# KiCad board panel_32x32_1515_r0.1.kicad_pcb (continued)
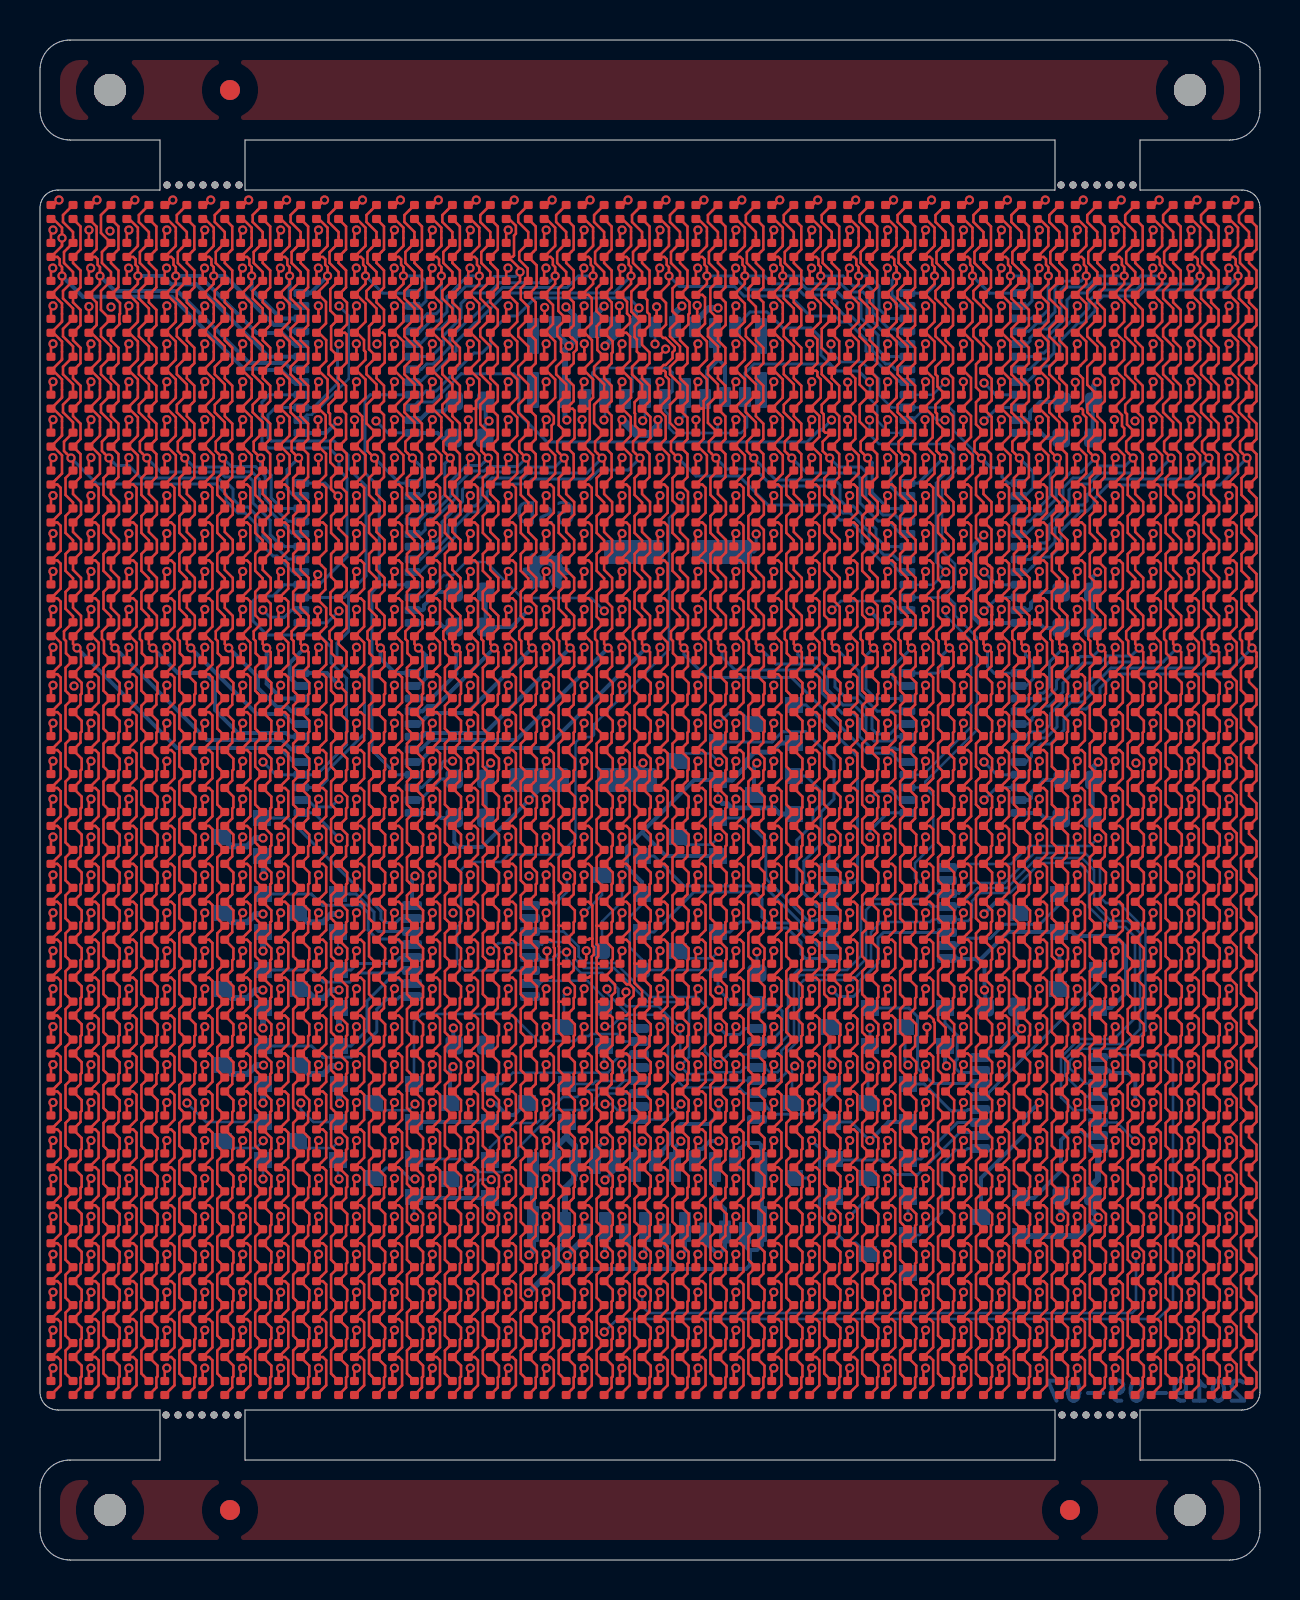
[diagram p0: board, top side]
## Routing (per net, layer and track width the routed paths; a pad name or vN(x,y) marks a point on that pad's centre or on a via; arc(x,y) is an arc through that point) (continued)
  Bottom w0.15: U9.20 18.68,58.95 19.05,58.95 19.55,59.45 19.8,59.45 20.8,60.45 20.8,60.9 21.75,61.85 21.8,61.85 23.3,63.35 28.7,63.35 v1(29.55,64.2)
COL_BA16: length 91
  Top w0.127: D17.4 31.01,67.05 31.45,66.62 31.45,65.71 D49.4 31.22,65.15 31.33,65.04 31.33,64.76 31.45,64.64 v1(31.45,64.2) 31.45,63.81 D81.4 31.3,62.85 31.3,61.76 D113.4 31.16,61.1 31.27,61.1 31.73,60.64 31.73,60.49 31.63,60.38 31.63,60.09 31.28,59.75 31.18,59.75 D145.4 31.22,59.46 31.28,59.4 31.28,59.19 31.45,59.03 31.45,58.12 D177.4 31.28,57.18 31.28,56.06 D209.4 ; 31.01,55.67 31.45,55.24 31.45,54.33 D241.4 31.22,53.77 31.38,53.61 31.38,52.36 D273.4 31.22,51.88 31.38,51.71 31.38,50.46 D305.4 31.22,49.98 31.38,49.82 31.38,48.57 D337.4 31.22,48.08 31.38,47.92 31.38,46.67 D369.4 31.06,46.19 31.38,45.87 31.38,44.77 D401.4 31.22,44.29 31.38,44.13 31.38,42.88 D433.4 31.22,42.39 31.38,42.23 31.38,40.98 D465.4 31.22,40.5 31.38,40.33 31.38,39.08 D497.4 31.22,38.6 31.38,38.44 31.38,37.19 D529.4 31.22,36.7 31.38,36.54 31.38,35.29 D561.4 31.22,34.81 31.38,34.64 31.38,33.39 D593.4 31.22,32.91 31.38,32.75 31.38,31.5 D625.4 31.22,31.01 31.38,30.85 31.38,29.6 D657.4 31.22,29.12 31.38,28.95 31.38,27.7 D689.4 31.22,27.22 31.38,27.06 31.38,25.81 D721.4 31.22,25.32 31.38,25.16 31.38,23.91 D753.4 31.22,23.43 31.38,23.26 31.38,22.01 D785.4 31.22,21.53 31.38,21.37 31.38,20.12 D817.4 31.22,19.63 31.38,19.47 31.38,18.22 D849.4 31.22,17.74 31.38,17.57 31.38,16.32 D881.4 31.22,15.84 31.38,15.68 31.38,14.43 D913.4 31.22,13.94 31.38,13.78 31.38,12.53 D945.4 31.22,12.04 31.38,11.88 31.38,10.63 D977.4 31.22,10.15 31.38,9.99 31.38,8.73 D1009.4
  Bottom w0.15: U10.5 43.32,58.95 42.92,58.95 42.31,59.56 42.18,59.56 41.3,60.45 41.3,61 40.4,61.9 40.05,61.9 39.75,62.2 38.51,62.2 37.51,63.2 35.2,63.2 34.72,63.68 31.98,63.68 v1(31.45,64.2)
COL_BA17: length 88.8
  Top w0.127: D18.4 32.91,67.05 33.35,66.62 33.35,65.71 D50.4 33.12,65.15 33.23,65.04 33.23,64.76 33.35,64.64 v1(33.35,64.2) 33.35,63.81 D82.4 33.12,63.26 33.25,63.12 33.25,61.82 D114.4 ; 32.91,55.67 33.35,55.24 33.35,54.33 D242.4 33.12,53.77 33.28,53.61 33.28,52.36 D274.4 33.12,51.88 33.28,51.71 33.28,50.46 D306.4 33.12,49.98 33.28,49.82 33.28,48.57 D338.4 33.12,48.08 33.28,47.92 33.28,46.67 D370.4 32.96,46.19 33.28,45.87 33.28,44.77 D402.4 33.12,44.29 33.28,44.13 33.28,42.88 D434.4 33.12,42.39 33.28,42.23 33.28,40.98 D466.4 33.12,40.5 33.28,40.33 33.28,39.08 D498.4 33.12,38.6 33.28,38.44 33.28,37.19 D530.4 33.12,36.7 33.28,36.54 33.28,35.29 D562.4 33.12,34.81 33.28,34.64 33.28,33.39 D594.4 33.12,32.91 33.28,32.75 33.28,31.5 D626.4 33.12,31.01 33.28,30.85 33.28,29.6 D658.4 33.12,29.12 33.28,28.95 33.28,27.7 D690.4 33.12,27.22 33.28,27.06 33.28,25.81 D722.4 33.12,25.32 33.28,25.16 33.28,23.91 D754.4 33.12,23.43 33.28,23.26 33.28,22.01 D786.4 33.12,21.53 33.28,21.37 33.28,20.12 D818.4 33.12,19.63 33.28,19.47 33.28,18.22 D850.4 33.12,17.74 33.28,17.57 33.28,16.32 D882.4 33.12,15.84 33.28,15.68 33.28,14.43 D914.4 33.12,13.94 33.28,13.78 33.28,12.53 D946.4 33.12,12.04 33.28,11.88 33.28,10.63 D978.4 33.12,10.15 33.28,9.99 33.28,8.73 D1010.4 ; 33.18,57.58 33.18,57.95 33.35,58.12 33.35,59.03 32.91,59.46 D146.4 33.35,60.02 33.35,60.93 32.91,61.36 ; 33.18,57.58 33.13,57.58 33.12,57.57 D178.4 ; 33.18,57.58 33.18,56.06 D210.4
  Bottom w0.15: v1(33.35,64.2) 34.66,64.2 35.35,63.51 37.94,63.51 38.2,63.25 39.5,63.25 39.85,62.9 39.85,62.6 40.25,62.2 40.55,62.2 41.62,61.13 41.62,60.47 42.28,59.8 42.5,59.8 42.77,59.53 U10.6
COL_BA18: length 87.3
  Top w0.127: D19.4 34.81,67.05 35.24,66.62 35.24,65.71 D51.4 35.01,65.15 35.13,65.04 35.13,64.76 35.24,64.64 v1(35.24,64.2) 35.24,63.81 D83.4 34.81,63.26 35.24,62.82 35.24,61.91 D115.4 34.81,61.36 35.24,60.93 35.24,60.02 D147.4 34.81,59.46 35.24,59.03 35.24,58.12 D179.4 34.81,57.57 35.24,57.13 35.24,56.22 D211.4 ; 34.81,55.67 35.24,55.24 35.24,54.33 D243.4 35.01,53.77 35.17,53.61 35.17,52.36 D275.4 35.01,51.88 35.17,51.71 35.17,50.46 D307.4 35.01,49.98 35.17,49.82 35.17,48.57 D339.4 35.01,48.08 35.17,47.92 35.17,46.67 D371.4 34.86,46.19 35.17,45.87 35.17,44.77 D403.4 35.01,44.29 35.17,44.13 35.17,42.88 D435.4 35.01,42.39 35.17,42.23 35.17,40.98 D467.4 35.01,40.5 35.17,40.33 35.17,39.08 D499.4 35.01,38.6 35.17,38.44 35.17,37.19 D531.4 35.01,36.7 35.17,36.54 35.17,35.29 D563.4 35.01,34.81 35.17,34.64 35.17,33.39 D595.4 35.01,32.91 35.17,32.75 35.17,31.5 D627.4 35.01,31.01 35.17,30.85 35.17,29.6 D659.4 35.01,29.12 35.17,28.95 35.17,27.7 D691.4 35.01,27.22 35.17,27.06 35.17,25.81 D723.4 35.01,25.32 35.17,25.16 35.17,23.91 D755.4 35.01,23.43 35.17,23.26 35.17,22.01 D787.4 35.01,21.53 35.17,21.37 35.17,20.12 D819.4 35.01,19.63 35.17,19.47 35.17,18.22 D851.4 35.01,17.74 35.17,17.57 35.17,16.32 D883.4 35.01,15.84 35.17,15.68 35.17,14.43 D915.4 35.01,13.94 35.17,13.78 35.17,12.53 D947.4 35.01,12.04 35.17,11.88 35.17,10.63 D979.4 35.01,10.15 35.17,9.99 35.17,8.73 D1011.4
  Bottom w0.15: v1(35.24,64.2) 36.22,64.2 36.61,63.81 38.07,63.81 38.34,63.54 39.74,63.54 40.17,63.1 40.95,63.1 41.05,63 41.05,62.1 41.91,61.24 41.91,60.51 42.26,60.17 U10.7
COL_BA19: length 84.7
  Top w0.127: D20.4 36.7,67.05 37.14,66.62 37.14,65.71 D52.4 36.91,65.15 37.02,65.04 37.02,64.76 37.14,64.64 v1(37.14,64.2) 37.14,63.81 D84.4 36.7,63.26 37.14,62.82 37.14,61.91 D116.4 36.7,61.36 37.14,60.93 37.14,60.02 D148.4 36.7,59.46 37.14,59.03 37.14,58.12 D180.4 36.7,57.57 37.14,57.13 37.14,56.22 D212.4 ; 36.7,55.67 37.14,55.24 37.14,54.33 D244.4 36.91,53.77 37.07,53.61 37.07,52.36 D276.4 36.91,51.88 37.07,51.71 37.07,50.46 D308.4 36.91,49.98 37.07,49.82 37.07,48.57 D340.4 36.91,48.08 37.07,47.92 37.07,46.67 D372.4 36.75,46.19 37.07,45.87 37.07,44.77 D404.4 36.91,44.29 37.07,44.13 37.07,42.88 D436.4 36.91,42.39 37.07,42.23 37.07,40.98 D468.4 36.91,40.5 37.07,40.33 37.07,39.08 D500.4 36.91,38.6 37.07,38.44 37.07,37.19 D532.4 36.91,36.7 37.07,36.54 37.07,35.29 D564.4 36.91,34.81 37.07,34.64 37.07,33.39 D596.4 36.91,32.91 37.07,32.75 37.07,31.5 D628.4 36.91,31.01 37.07,30.85 37.07,29.6 D660.4 36.91,29.12 37.07,28.95 37.07,27.7 D692.4 36.91,27.22 37.07,27.06 37.07,25.81 D724.4 36.91,25.32 37.07,25.16 37.07,23.91 D756.4 36.91,23.43 37.07,23.26 37.07,22.01 D788.4 36.91,21.53 37.07,21.37 37.07,20.12 D820.4 36.91,19.63 37.07,19.47 37.07,18.22 D852.4 36.91,17.74 37.07,17.57 37.07,16.32 D884.4 36.91,15.84 37.07,15.68 37.07,14.43 D916.4 36.91,13.94 37.07,13.78 37.07,12.53 D948.4 36.91,12.04 37.07,11.88 37.07,10.63 D980.4 36.91,10.15 37.07,9.99 37.07,8.73 D1012.4
  Bottom w0.15: U10.8 42.97,60.8 42.57,61.2 42.35,61.2 41.35,62.21 41.35,63.2 41.15,63.4 40.45,63.4 40.04,63.81 38.41,63.81 38.02,64.2 v1(37.14,64.2)
COL_BA20: length 82.2
  Top w0.127: D21.4 38.6,67.05 39.04,66.62 39.04,65.71 D53.4 38.81,65.15 38.92,65.04 38.92,64.76 39.04,64.64 v1(39.04,64.2) 39.04,63.88 38.6,63.44 38.6,63.26 39.04,62.82 39.04,61.91 D117.4 38.54,61.36 38.87,61.03 38.87,59.85 D149.4 38.81,59.46 38.87,59.4 38.87,59.19 39.04,59.03 39.04,58.12 38.6,57.68 38.6,57.57 38.97,57.2 38.97,56.15 D213.4 ; 38.6,55.67 39.04,55.24 39.04,54.33 D245.4 38.81,53.77 38.97,53.61 38.97,52.36 D277.4 38.81,51.88 38.97,51.71 38.97,50.46 D309.4 38.81,49.98 38.97,49.82 38.97,48.57 D341.4 38.81,48.08 38.97,47.92 38.97,46.67 D373.4 38.65,46.19 38.97,45.87 38.97,44.77 D405.4 38.81,44.29 38.97,44.13 38.97,42.88 D437.4 38.81,42.39 38.97,42.23 38.97,40.98 D469.4 38.81,40.5 38.97,40.33 38.97,39.08 D501.4 38.81,38.6 38.97,38.44 38.97,37.19 D533.4 38.81,36.7 38.97,36.54 38.97,35.29 D565.4 38.81,34.81 38.97,34.64 38.97,33.39 D597.4 38.81,32.91 38.97,32.75 38.97,31.5 D629.4 38.81,31.01 38.97,30.85 38.97,29.6 D661.4 38.81,29.12 38.97,28.95 38.97,27.7 D693.4 38.81,27.22 38.97,27.06 38.97,25.81 D725.4 38.81,25.32 38.97,25.16 38.97,23.91 D757.4 38.81,23.43 38.97,23.26 38.97,22.01 D789.4 38.81,21.53 38.97,21.37 38.97,20.12 D821.4 38.81,19.63 38.97,19.47 38.97,18.22 D853.4 38.81,17.74 38.97,17.57 38.97,16.32 D885.4 38.81,15.84 38.97,15.68 38.97,14.43 D917.4 38.81,13.94 38.97,13.78 38.97,12.53 D949.4 38.81,12.04 38.97,11.88 38.97,10.63 D981.4 38.81,10.15 38.97,9.99 38.97,8.73 D1013.4
  Bottom w0.15: U10.9 42.86,61.44 42.75,61.55 42.45,61.55 41.65,62.35 41.65,63.45 41.4,63.7 40.65,63.7 40.15,64.2 v1(39.04,64.2)
COL_BA21: length 80.1
  Top w0.127: D22.4 40.5,67.05 40.93,66.62 40.93,65.71 D54.4 40.7,65.15 40.82,65.04 40.82,64.76 40.93,64.64 v1(40.93,64.2) 40.93,63.81 D86.4 40.5,63.26 40.93,62.82 40.93,61.91 D118.4 40.5,61.36 40.93,60.93 40.93,60.02 D150.4 40.77,59.08 40.77,57.95 D182.4 40.77,57.18 40.77,56.06 D214.4 ; 40.5,55.67 40.93,55.24 40.93,54.33 D246.4 40.7,53.77 40.86,53.61 40.86,52.36 D278.4 40.7,51.88 40.86,51.71 40.86,50.46 D310.4 40.7,49.98 40.86,49.82 40.86,48.57 D342.4 40.7,48.08 40.86,47.92 40.86,46.67 D374.4 40.55,46.19 40.86,45.87 40.86,44.77 D406.4 40.7,44.29 40.86,44.13 40.86,42.88 D438.4 40.7,42.39 40.86,42.23 40.86,40.98 D470.4 40.7,40.5 40.86,40.33 40.86,39.08 D502.4 40.7,38.6 40.86,38.44 40.86,37.19 D534.4 40.7,36.7 40.86,36.54 40.86,35.29 D566.4 40.7,34.81 40.86,34.64 40.86,33.39 D598.4 40.7,32.91 40.86,32.75 40.86,31.5 D630.4 40.7,31.01 40.86,30.85 40.86,29.6 D662.4 40.7,29.12 40.86,28.95 40.86,27.7 D694.4 40.7,27.22 40.86,27.06 40.86,25.81 D726.4 40.7,25.32 40.86,25.16 40.86,23.91 D758.4 40.7,23.43 40.86,23.26 40.86,22.01 D790.4 40.7,21.53 40.86,21.37 40.86,20.12 D822.4 40.7,19.63 40.86,19.47 40.86,18.22 D854.4 40.7,17.74 40.86,17.57 40.86,16.32 D886.4 40.7,15.84 40.86,15.68 40.86,14.43 D918.4 40.7,13.94 40.86,13.78 40.86,12.53 D950.4 40.7,12.04 40.86,11.88 40.86,10.63 D982.4 40.7,10.15 40.86,9.99 40.86,8.73 D1014.4
  Bottom w0.15: v1(40.93,64.2) 41.45,64.2 41.95,63.7 41.95,62.55 42.43,62.07 U10.10
COL_BA22: length 78.7
  Top w0.127: D23.4 42.39,67.05 42.83,66.62 42.83,65.71 D55.4 42.6,65.15 42.71,65.04 42.71,64.76 42.83,64.64 v1(42.83,64.2) 42.83,63.81 D87.4 42.39,63.26 42.83,62.82 42.83,61.91 D119.4 42.39,61.36 42.83,60.93 42.83,60.02 D151.4 42.39,59.46 42.83,59.03 42.83,58.12 D183.4 42.39,57.57 42.83,57.13 42.83,56.22 D215.4 ; 42.39,55.67 42.83,55.24 42.83,54.33 D247.4 42.6,53.77 42.76,53.61 42.76,52.36 D279.4 42.6,51.88 42.76,51.71 42.76,50.46 D311.4 42.6,49.98 42.76,49.82 42.76,48.57 D343.4 42.6,48.08 42.76,47.92 42.76,46.67 D375.4 42.44,46.19 42.76,45.87 42.76,44.77 D407.4 42.6,44.29 42.76,44.13 42.76,42.88 D439.4 42.6,42.39 42.76,42.23 42.76,40.98 D471.4 42.6,40.5 42.76,40.33 42.76,39.08 D503.4 42.6,38.6 42.76,38.44 42.76,37.19 D535.4 42.6,36.7 42.76,36.54 42.76,35.29 D567.4 42.6,34.81 42.76,34.64 42.76,33.39 D599.4 42.6,32.91 42.76,32.75 42.76,31.5 D631.4 42.6,31.01 42.76,30.85 42.76,29.6 D663.4 42.6,29.12 42.76,28.95 42.76,27.7 D695.4 42.6,27.22 42.76,27.06 42.76,25.81 D727.4 42.6,25.32 42.76,25.16 42.76,23.91 D759.4 42.6,23.43 42.76,23.26 42.76,22.01 D791.4 42.6,21.53 42.76,21.37 42.76,20.12 D823.4 42.6,19.63 42.76,19.47 42.76,18.22 D855.4 42.6,17.74 42.76,17.57 42.76,16.32 D887.4 42.6,15.84 42.76,15.68 42.76,14.43 D919.4 42.6,13.94 42.76,13.78 42.76,12.53 D951.4 42.6,12.04 42.76,11.88 42.76,10.63 D983.4 42.6,10.15 42.76,9.99 42.76,8.73 D1015.4
  Bottom w0.15: v1(42.83,64.2) 42.6,63.97 42.6,63.25 42.77,63.08 42.77,62.8 42.87,62.71 U10.11
COL_BA23: length 78.3
  Top w0.127: D24.4 44.29,67.05 44.73,66.62 44.73,65.71 D56.4 44.5,65.15 44.61,65.04 44.61,64.76 44.73,64.64 v1(44.73,64.2) 44.73,63.81 D88.4 44.29,63.26 44.73,62.82 44.73,61.91 D120.4 44.29,61.36 44.73,60.93 44.73,60.02 D152.4 44.29,59.46 44.66,59.1 44.66,58.05 44.29,57.68 44.29,57.57 44.63,57.22 44.63,56.13 D216.4 ; 44.29,55.67 44.73,55.24 44.73,54.33 D248.4 44.5,53.77 44.66,53.61 44.66,52.36 D280.4 44.5,51.88 44.66,51.71 44.66,50.46 D312.4 44.5,49.98 44.66,49.82 44.66,48.57 D344.4 44.5,48.08 44.66,47.92 44.66,46.67 D376.4 44.34,46.19 44.66,45.87 44.66,44.77 D408.4 44.5,44.29 44.66,44.13 44.66,42.88 D440.4 44.5,42.39 44.66,42.23 44.66,40.98 D472.4 44.5,40.5 44.66,40.33 44.66,39.08 D504.4 44.5,38.6 44.66,38.44 44.66,37.19 D536.4 44.5,36.7 44.66,36.54 44.66,35.29 D568.4 44.5,34.81 44.66,34.64 44.66,33.39 D600.4 44.5,32.91 44.66,32.75 44.66,31.5 D632.4 44.5,31.01 44.66,30.85 44.66,29.6 D664.4 44.5,29.12 44.66,28.95 44.66,27.7 D696.4 44.17,27.18 44.2,27.2 44.5,27.2 44.69,27.01 44.69,26.91 44.73,26.87 44.73,25.88 D728.4 44.5,25.32 44.66,25.16 44.66,23.91 D760.4 44.5,23.43 44.66,23.26 44.66,22.01 D792.4 44.5,21.53 44.66,21.37 44.66,20.12 D824.4 44.5,19.63 44.66,19.47 44.66,18.22 D856.4 44.5,17.74 44.66,17.57 44.66,16.32 D888.4 44.5,15.84 44.66,15.68 44.66,14.43 D920.4 44.5,13.94 44.66,13.78 44.66,12.53 D952.4 44.5,12.04 44.66,11.88 44.66,10.63 D984.4 44.5,10.15 44.66,9.99 44.66,8.73 D1016.4
  Bottom w0.15: v1(44.73,64.2) 44.73,63.73 44.34,63.34 U10.12
COL_BA24: length 79.1
  Top w0.127: D25.4 46.19,67.05 46.62,66.62 46.62,65.71 D57.4 46.39,65.15 46.51,65.04 46.51,64.76 46.62,64.64 v1(46.62,64.2) 46.62,63.81 D89.4 46.19,63.26 46.62,62.82 46.62,61.91 D121.4 46.19,61.36 46.62,60.93 46.62,60.02 D153.4 46.19,59.46 46.55,59.1 46.55,58.05 D185.4 46.19,57.57 46.55,57.2 46.55,56.15 D217.4 ; 46.19,55.67 46.62,55.24 46.62,54.33 D249.4 46.39,53.77 46.55,53.61 46.55,52.36 D281.4 46.39,51.88 46.55,51.71 46.55,50.46 D313.4 46.39,49.98 46.55,49.82 46.55,48.57 D345.4 46.39,48.08 46.55,47.92 46.55,46.67 D377.4 46.24,46.19 46.55,45.87 46.55,44.77 D409.4 46.39,44.29 46.55,44.13 46.55,42.88 D441.4 46.39,42.39 46.55,42.23 46.55,40.98 D473.4 46.39,40.5 46.55,40.33 46.55,39.08 D505.4 46.39,38.6 46.55,38.44 46.55,37.19 D537.4 46.39,36.7 46.55,36.54 46.55,35.29 D569.4 46.39,34.81 46.55,34.64 46.55,33.39 D601.4 46.39,32.91 46.55,32.75 46.55,31.5 D633.4 46.39,31.01 46.55,30.85 46.55,29.6 D665.4 46.39,29.12 46.55,28.95 46.55,27.7 D697.4 46.39,27.22 46.55,27.06 46.55,25.81 D729.4 46.39,25.32 46.55,25.16 46.55,23.91 D761.4 46.39,23.43 46.55,23.26 46.55,22.01 D793.4 46.39,21.53 46.55,21.37 46.55,20.12 D825.4 46.39,19.63 46.55,19.47 46.55,18.22 D857.4 46.39,17.74 46.55,17.57 46.55,16.32 D889.4 46.39,15.84 46.55,15.68 46.55,14.43 D921.4 46.39,13.94 46.55,13.78 46.55,12.53 D953.4 46.39,12.04 46.55,11.88 46.55,10.63 D985.4 46.39,10.15 46.55,9.99 46.55,8.73 D1017.4
  Bottom w0.15: v1(46.62,64.2) 47.48,63.34 U10.13
COL_BA25: length 79.3
  Top w0.127: D26.4 48.08,67.05 48.52,66.62 48.52,65.71 D58.4 48.29,65.15 48.4,65.04 48.4,64.76 48.52,64.64 v1(48.52,64.2) 48.52,63.81 D90.4 48.08,63.26 48.52,62.82 48.52,61.91 D122.4 48.08,61.36 48.52,60.93 48.52,60.02 D154.4 48.08,59.46 48.52,59.03 48.52,58.12 D186.4 48.08,57.57 48.52,57.13 48.52,56.22 D218.4 ; 48.08,55.67 48.52,55.24 48.52,54.33 D250.4 48.29,53.77 48.45,53.61 48.45,52.36 D282.4 48.29,51.88 48.45,51.71 48.45,50.46 D314.4 48.29,49.98 48.45,49.82 48.45,48.57 D346.4 48.29,48.08 48.45,47.92 48.45,46.67 D378.4 48.13,46.19 48.45,45.87 48.45,44.77 D410.4 48.29,44.29 48.45,44.13 48.45,42.88 D442.4 48.29,42.39 48.45,42.23 48.45,40.98 D474.4 48.29,40.5 48.45,40.33 48.45,39.08 D506.4 48.29,38.6 48.45,38.44 48.45,37.19 D538.4 48.29,36.7 48.45,36.54 48.45,35.29 D570.4 48.29,34.81 48.45,34.64 48.45,33.39 D602.4 48.29,32.91 48.45,32.75 48.45,31.5 D634.4 48.29,31.01 48.45,30.85 48.45,29.6 D666.4 48.29,29.12 48.45,28.95 48.45,27.7 D698.4 48.29,27.22 48.45,27.06 48.45,25.81 D730.4 48.29,25.32 48.45,25.16 48.45,23.91 D762.4 48.29,23.43 48.45,23.26 48.45,22.01 D794.4 48.29,21.53 48.45,21.37 48.45,20.12 D826.4 48.29,19.63 48.45,19.47 48.45,18.22 D858.4 48.29,17.74 48.45,17.57 48.45,16.32 D890.4 48.29,15.84 48.45,15.68 48.45,14.43 D922.4 48.29,13.94 48.45,13.78 48.45,12.53 D954.4 48.29,12.04 48.45,11.88 48.45,10.63 D986.4 48.29,10.15 48.45,9.99 48.45,8.73 D1018.4
  Bottom w0.15: U10.14 49.36,62.71 49.6,62.95 49.6,63.7 49.1,64.2 v1(48.52,64.2)
COL_BA26: length 79.9
  Top w0.127: D27.4 49.98,67.05 50.42,66.62 50.42,65.71 D59.4 50.19,65.15 50.3,65.04 50.3,64.76 50.42,64.64 v1(50.42,64.2) 50.42,63.81 D91.4 49.98,63.26 50.42,62.82 50.42,61.91 D123.4 49.98,61.36 50.42,60.93 50.42,60.02 D155.4 49.98,59.46 50.42,59.03 50.42,58.12 D187.4 49.98,57.57 50.42,57.13 50.42,56.22 D219.4 ; 49.98,55.67 50.42,55.24 50.42,54.33 D251.4 50.19,53.77 50.35,53.61 50.35,52.36 D283.4 50.19,51.88 50.35,51.71 50.35,50.46 D315.4 50.19,49.98 50.35,49.82 50.35,48.57 D347.4 50.19,48.08 50.35,47.92 50.35,46.67 D379.4 50.03,46.19 50.35,45.87 50.35,44.77 D411.4 50.19,44.29 50.35,44.13 50.35,42.88 D443.4 50.19,42.39 50.35,42.23 50.35,40.98 D475.4 50.19,40.5 50.35,40.33 50.35,39.08 D507.4 50.19,38.6 50.35,38.44 50.35,37.19 D539.4 50.19,36.7 50.35,36.54 50.35,35.29 D571.4 50.19,34.81 50.35,34.64 50.35,33.39 D603.4 50.19,32.91 50.35,32.75 50.35,31.5 D635.4 50.19,31.01 50.35,30.85 50.35,29.6 D667.4 50.19,29.12 50.35,28.95 50.35,27.7 D699.4 50.19,27.22 50.35,27.06 50.35,25.81 D731.4 50.19,25.32 50.35,25.16 50.35,23.91 D763.4 50.19,23.43 50.35,23.26 50.35,22.01 D795.4 50.19,21.53 50.35,21.37 50.35,20.12 D827.4 50.19,19.63 50.35,19.47 50.35,18.22 D859.4 50.19,17.74 50.35,17.57 50.35,16.32 D891.4 50.19,15.84 50.35,15.68 50.35,14.43 D923.4 50.19,13.94 50.35,13.78 50.35,12.53 D955.4 50.19,12.04 50.35,11.88 50.35,10.63 D987.4 50.19,10.15 50.35,9.99 50.35,8.73 D1019.4
  Bottom w0.15: U10.15 49.57,62.07 49.7,62.2 50.1,62.2 50.42,62.52 v1(50.42,64.2)
COL_BA27: length 81.7
  Top w0.127: D28.4 51.88,67.05 52.31,66.62 52.31,65.71 D60.4 52.08,65.15 52.2,65.04 52.2,64.76 52.31,64.64 v1(52.31,64.2) 52.31,63.81 D92.4 51.88,63.26 52.31,62.82 52.31,61.91 D124.4 51.88,61.36 52.31,60.93 52.31,60.02 D156.4 52.15,59.08 52.15,57.95 D188.4 52.08,57.57 52.15,57.5 52.15,57.3 52.31,57.13 52.31,56.22 D220.4 ; 51.88,55.67 52.31,55.24 52.31,54.33 D252.4 52.08,53.77 52.25,53.61 52.25,52.36 D284.4 52.08,51.88 52.25,51.71 52.25,50.46 D316.4 52.08,49.98 52.25,49.82 52.25,48.57 D348.4 52.08,48.08 52.25,47.92 52.25,46.67 D380.4 51.93,46.19 52.25,45.87 52.25,44.77 D412.4 52.08,44.29 52.25,44.13 52.25,42.88 D444.4 52.08,42.39 52.25,42.23 52.25,40.98 D476.4 52.08,40.5 52.25,40.33 52.25,39.08 D508.4 52.08,38.6 52.25,38.44 52.25,37.19 D540.4 52.08,36.7 52.25,36.54 52.25,35.29 D572.4 52.08,34.81 52.25,34.64 52.25,33.39 D604.4 52.08,32.91 52.25,32.75 52.25,31.5 D636.4 52.08,31.01 52.25,30.85 52.25,29.6 D668.4 52.08,29.12 52.25,28.95 52.25,27.7 D700.4 52.08,27.22 52.25,27.06 52.25,25.81 D732.4 52.08,25.32 52.25,25.16 52.25,23.91 D764.4 52.08,23.43 52.25,23.26 52.25,22.01 D796.4 52.08,21.53 52.25,21.37 52.25,20.12 D828.4 52.08,19.63 52.25,19.47 52.25,18.22 D860.4 52.08,17.74 52.25,17.57 52.25,16.32 D892.4 52.08,15.84 52.25,15.68 52.25,14.43 D924.4 52.08,13.94 52.25,13.78 52.25,12.53 D956.4 52.08,12.04 52.25,11.88 52.25,10.63 D988.4 52.08,10.15 52.25,9.99 52.25,8.73 D1020.4
  Bottom w0.15: v1(52.31,64.2) 52.05,63.95 51.05,63.95 50.75,63.65 50.75,62.4 50.2,61.85 49.85,61.85 49.44,61.44 U10.16
COL_BA28: length 84
  Top w0.127: D29.4 53.77,67.05 54.21,66.62 54.21,65.71 D61.4 53.98,65.15 54.09,65.04 54.09,64.76 54.21,64.64 v1(54.21,64.2) 54.21,63.81 D93.4 53.77,63.26 54.21,62.82 54.21,61.91 D125.4 53.77,61.36 54.21,60.93 54.21,60.02 D157.4 53.77,59.46 54.21,59.03 54.21,58.12 D189.4 53.77,57.57 54.1,57.24 54.1,56.7 54.21,56.59 54.21,56.22 D221.4 ; 53.77,55.67 54.21,55.24 54.21,54.33 D253.4 53.98,53.77 54.14,53.61 54.14,52.36 D285.4 53.98,51.88 54.14,51.71 54.14,50.46 D317.4 53.98,49.98 54.14,49.82 54.14,48.57 D349.4 53.98,48.08 54.14,47.92 54.14,46.67 D381.4 53.82,46.19 54.14,45.87 54.14,44.77 D413.4 53.98,44.29 54.14,44.13 54.14,42.88 D445.4 53.98,42.39 54.14,42.23 54.14,40.98 D477.4 53.98,40.5 54.14,40.33 54.14,39.08 D509.4 53.98,38.6 54.14,38.44 54.14,37.19 D541.4 53.98,36.7 54.14,36.54 54.14,35.29 D573.4 53.98,34.81 54.14,34.64 54.14,33.39 D605.4 53.98,32.91 54.14,32.75 54.14,31.5 D637.4 53.98,31.01 54.14,30.85 54.14,29.6 D669.4 53.98,29.12 54.14,28.95 54.14,27.7 D701.4 53.98,27.22 54.14,27.06 54.14,25.81 D733.4 53.98,25.32 54.14,25.16 54.14,23.91 D765.4 53.98,23.43 54.14,23.26 54.14,22.01 D797.4 53.98,21.53 54.14,21.37 54.14,20.12 D829.4 53.98,19.63 54.14,19.47 54.14,18.22 D861.4 53.98,17.74 54.14,17.57 54.14,16.32 D893.4 53.98,15.84 54.14,15.68 54.14,14.43 D925.4 53.98,13.94 54.14,13.78 54.14,12.53 D957.4 53.98,12.04 54.14,11.88 54.14,10.63 D989.4 53.98,10.15 54.14,9.99 54.14,8.73 D1021.4
  Bottom w0.15: U10.17 49.35,60.8 49.5,60.95 49.5,61.1 49.95,61.55 50.35,61.55 51.05,62.25 51.05,63.5 51.2,63.65 52.35,63.65 52.9,64.2 v1(54.21,64.2)
COL_BA29: length 86.2
  Top w0.127: D30.4 55.67,67.05 56.11,66.62 56.11,65.71 D62.4 55.88,65.15 55.99,65.04 55.99,64.76 56.11,64.64 v1(56.11,64.2) 56.11,63.81 D94.4 55.67,63.26 56.11,62.82 56.11,61.91 D126.4 55.67,61.36 56.11,60.93 56.11,60.02 D158.4 55.67,59.46 56.11,59.03 56.11,58.12 D190.4 55.67,57.57 56.11,57.13 56.11,56.22 D222.4 ; 55.67,55.67 56.11,55.24 56.11,54.33 D254.4 55.88,53.77 56.04,53.61 56.04,52.36 D286.4 55.88,51.88 56.04,51.71 56.04,50.46 D318.4 55.88,49.98 56.04,49.82 56.04,48.57 D350.4 55.88,48.08 56.04,47.92 56.04,46.67 D382.4 55.72,46.19 56.04,45.87 56.04,44.77 D414.4 55.88,44.29 56.04,44.13 56.04,42.88 D446.4 55.88,42.39 56.04,42.23 56.04,40.98 D478.4 55.88,40.5 56.04,40.33 56.04,39.08 D510.4 55.88,38.6 56.04,38.44 56.04,37.19 D542.4 55.88,36.7 56.04,36.54 56.04,35.29 D574.4 55.88,34.81 56.04,34.64 56.04,33.39 D606.4 55.88,32.91 56.04,32.75 56.04,31.5 D638.4 55.88,31.01 56.04,30.85 56.04,29.6 D670.4 55.88,29.12 56.04,28.95 56.04,27.7 D702.4 55.88,27.22 56.04,27.06 56.04,25.81 D734.4 55.88,25.32 56.04,25.16 56.04,23.91 D766.4 55.88,23.43 56.04,23.26 56.04,22.01 D798.4 55.88,21.53 56.04,21.37 56.04,20.12 D830.4 55.88,19.63 56.04,19.47 56.04,18.22 D862.4 55.88,17.74 56.04,17.57 56.04,16.32 D894.4 55.88,15.84 56.04,15.68 56.04,14.43 D926.4 55.88,13.94 56.04,13.78 56.04,12.53 D958.4 55.88,12.04 56.04,11.88 56.04,10.63 D990.4 55.88,10.15 56.04,9.99 56.04,8.73 D1022.4
  Bottom w0.15: U10.18 49.67,60.17 49.85,60.35 50.2,60.35 50.4,60.55 50.4,61.2 51.35,62.15 51.35,63 51.7,63.35 52.4,63.35 52.85,63.8 54.65,63.8 55.05,64.2 v1(56.11,64.2)
COL_BA30: length 88.2
  Top w0.127: D31.4 57.57,67.05 58,66.62 58,65.71 D63.4 57.77,65.15 57.89,65.04 57.89,64.76 58,64.64 v1(58,64.2) 58,63.81 D95.4 57.57,63.26 58,62.82 58,61.91 D127.4 57.57,61.36 58,60.93 58,60.02 D159.4 57.57,59.46 58,59.03 58,58.12 D191.4 57.57,57.57 58,57.13 58,56.22 D223.4 ; 57.57,55.67 58,55.24 58,54.33 D255.4 57.77,53.77 57.94,53.61 57.94,52.36 D287.4 57.77,51.88 57.94,51.71 57.94,50.46 D319.4 57.77,49.98 57.94,49.82 57.94,48.57 D351.4 57.77,48.08 57.94,47.92 57.94,46.67 D383.4 57.62,46.19 57.94,45.87 57.94,44.77 D415.4 57.77,44.29 57.94,44.13 57.94,42.88 D447.4 57.77,42.39 57.94,42.23 57.94,40.98 D479.4 57.77,40.5 57.94,40.33 57.94,39.08 D511.4 57.77,38.6 57.94,38.44 57.94,37.19 D543.4 57.77,36.7 57.94,36.54 57.94,35.29 D575.4 57.77,34.81 57.94,34.64 57.94,33.39 D607.4 57.77,32.91 57.94,32.75 57.94,31.5 D639.4 57.77,31.01 57.94,30.85 57.94,29.6 D671.4 57.77,29.12 57.94,28.95 57.94,27.7 D703.4 57.77,27.22 57.94,27.06 57.94,25.81 D735.4 57.77,25.32 57.94,25.16 57.94,23.91 D767.4 57.77,23.43 57.94,23.26 57.94,22.01 D799.4 57.77,21.53 57.94,21.37 57.94,20.12 D831.4 57.77,19.63 57.94,19.47 57.94,18.22 D863.4 57.77,17.74 57.94,17.57 57.94,16.32 D895.4 57.77,15.84 57.94,15.68 57.94,14.43 D927.4 57.77,13.94 57.94,13.78 57.94,12.53 D959.4 57.77,12.04 57.94,11.88 57.94,10.63 D991.4 57.77,10.15 57.94,9.99 57.94,8.73 D1023.4
  Bottom w0.15: v1(58,64.2) 57.6,63.8 55.1,63.8 54.8,63.5 53,63.5 52.45,62.95 52.45,62.6 52,62.15 51.75,62.15 50.7,61.1 50.7,60.35 50.4,60.05 50,60.05 49.48,59.53 U10.19
COL_BA31: length 88
  Top w0.127: D32.4 59.46,67.05 59.9,66.62 59.9,65.71 D64.4 59.67,65.15 59.78,65.04 59.78,64.76 59.9,64.64 v1(59.9,64.2) 59.9,63.81 D96.4 59.46,63.26 59.9,62.82 59.9,61.91 D128.4 59.46,61.36 59.9,60.93 59.9,60.02 D160.4 59.46,59.46 59.9,59.03 59.9,58.12 D192.4 59.46,57.57 59.9,57.13 59.9,56.22 D224.4 ; 59.46,55.67 59.9,55.24 59.9,54.33 D256.4 59.67,53.77 59.83,53.61 59.83,52.36 D288.4 59.67,51.88 59.83,51.71 59.83,50.46 D320.4 59.67,49.98 59.83,49.82 59.83,48.57 D352.4 59.67,48.08 59.83,47.92 59.83,46.67 D384.4 59.51,46.19 59.83,45.87 59.83,44.77 D416.4 59.46,44.29 59.83,43.92 59.83,42.88 D448.4 59.46,42.39 59.83,42.03 59.83,40.98 D480.4 59.46,40.5 59.83,40.13 59.83,39.08 D512.4 59.46,38.6 59.83,38.23 59.83,37.19 D544.4 59.46,36.7 59.83,36.34 59.83,35.29 D576.4 59.46,34.81 59.83,34.44 59.83,33.39 D608.4 59.46,32.91 59.83,32.54 59.83,31.5 D640.4 59.46,31.01 59.83,30.64 59.83,29.6 D672.4 59.46,29.12 59.83,28.75 59.83,27.7 D704.4 59.46,27.22 59.83,26.85 59.83,25.81 D736.4 59.46,25.32 59.83,24.95 59.83,23.91 D768.4 59.46,23.43 59.83,23.06 59.83,22.01 D800.4 59.46,21.53 59.83,21.16 59.83,20.12 D832.4 59.46,19.63 59.83,19.26 59.83,18.22 D864.4 59.46,17.74 59.83,17.37 59.83,16.32 D896.4 59.46,15.84 59.83,15.47 59.83,14.43 D928.4 59.46,13.94 59.83,13.57 59.83,12.53 D960.4 59.46,12.04 59.83,11.68 59.83,10.63 D992.4 59.46,10.15 59.83,9.78 59.83,8.73 D1024.4
  Bottom w0.15: v1(59.9,64.2) 59.2,63.5 55.25,63.5 54.95,63.2 53.15,63.2 52.75,62.8 52.75,62.45 52.15,61.85 51.9,61.85 51,60.95 51,60.2 50.5,59.7 50.17,59.7 49.37,58.9 U10.20
